# Altium PCB MyNixie.PcbDoc (part 1 of 2) (continued)
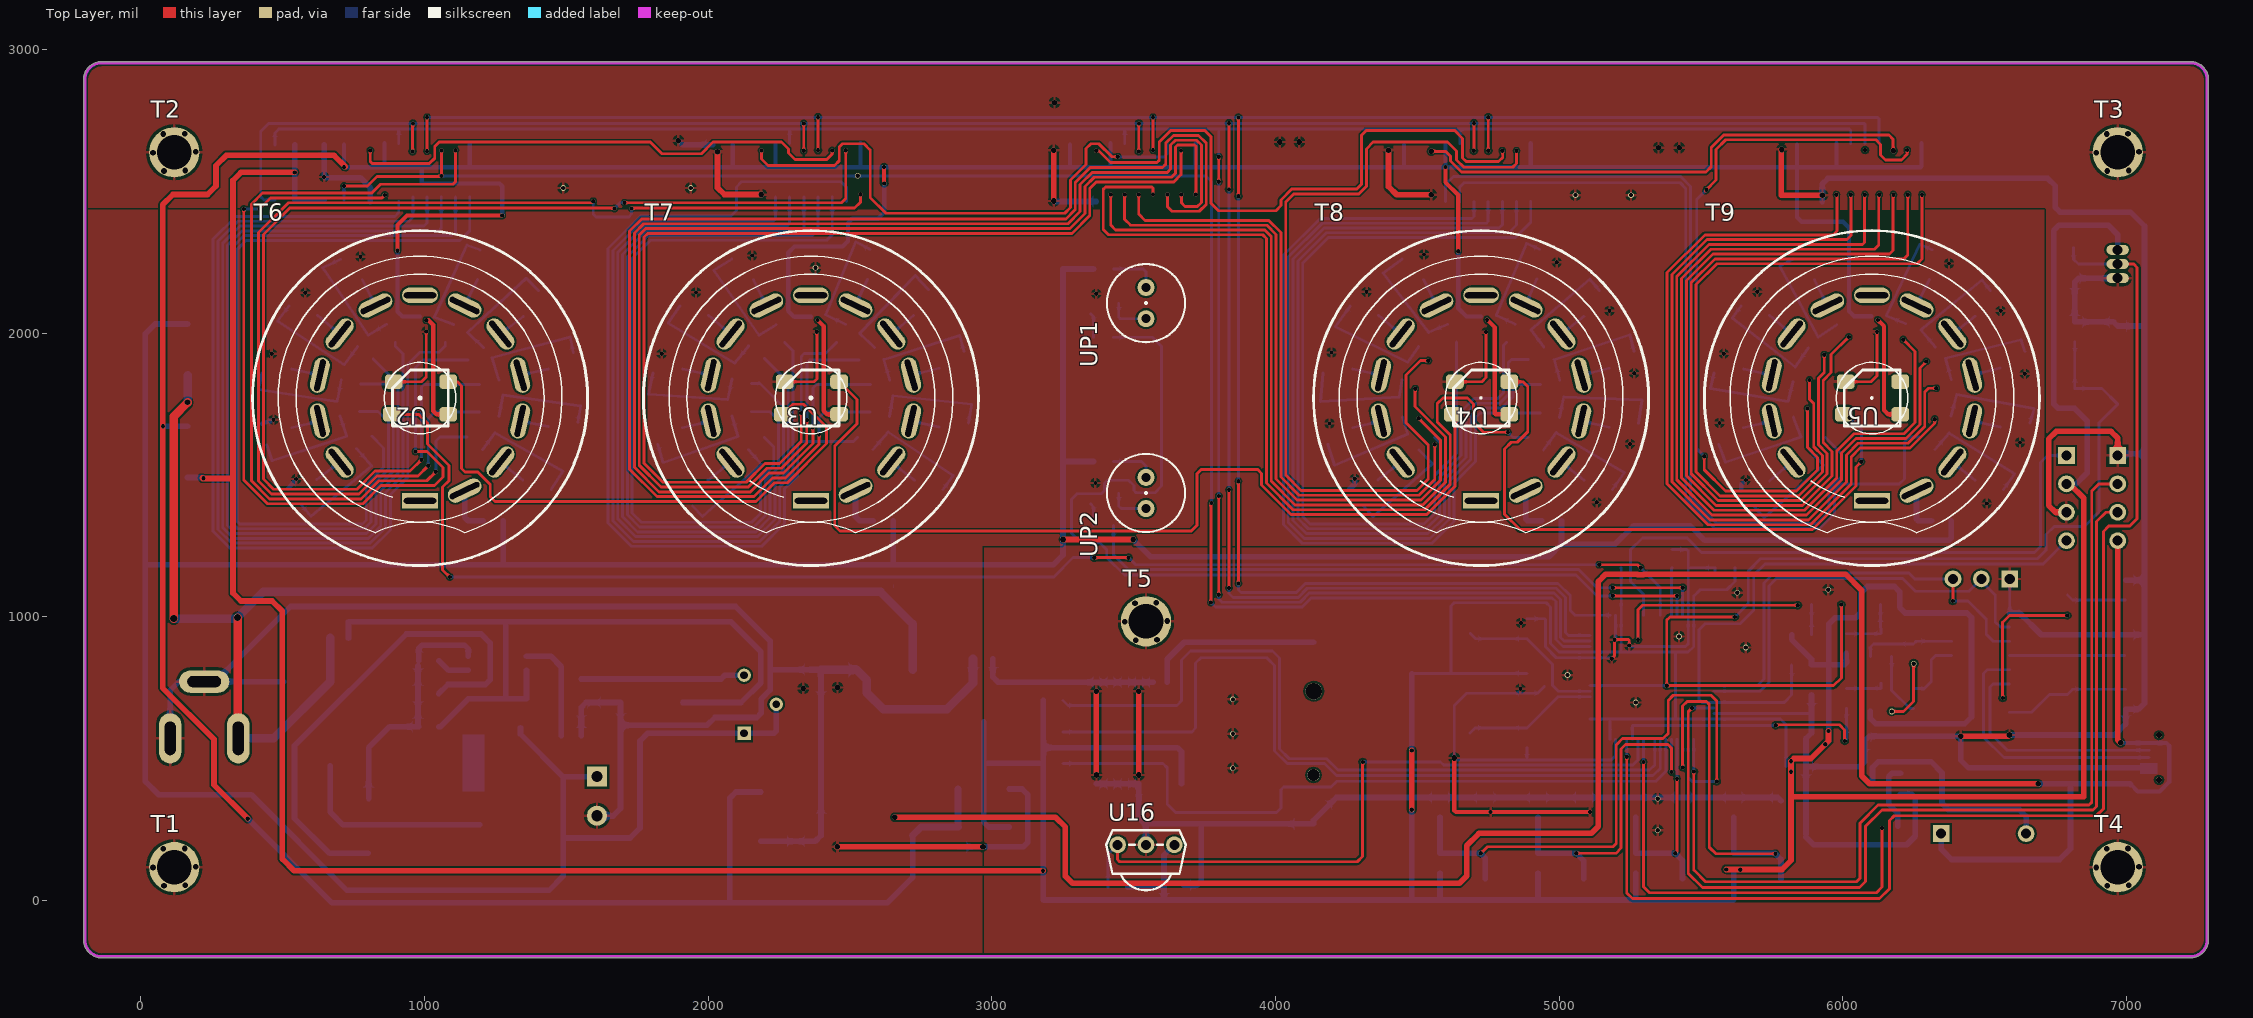
[diagram p0: Top Layer view]
## Footprints (in the part's own frame and the unit in brackets; to place one, negate y for a bottom-side part, rotate by r counter-clockwise, add the part's x,y. Pads: shape width x height; smd on the part's side, far side on the other; paste and mask are expansions set on the pad)
0805_C [mm]
  rect 1.16x1.47 smd: 1(-0.89,0) 2(0.89,0)
  silkscreen extent -1.77,-1.04 1.77,1.04, body extent -1,-0.63 1,0.63, height 0.77
0805_L [mm]
  rect 1.16x1.47 smd: 1(-0.89,0) 2(0.89,0)
  silkscreen extent -1.77,-1.04 1.77,1.03, body extent -1,-0.64 1,0.64, height 0.6
0805_LED_S1 [mm]
  rect 1.16x1.47 smd: A(0.89,0) K(-0.89,0)
  silkscreen extent -2.24,-1.04 1.77,1.03, body extent -1.01,-0.63 1.01,0.62, height 1.1
0805_R [mm]
  rect 1.16x1.47 smd: 1(-0.89,0) 2(0.89,0)
  silkscreen extent -1.77,-1.04 1.77,1.03, body extent -1,-0.63 1,0.63, height 0.49
Beep-12095 [mm] "S12*9.5有源蜂鸣器"
  rect 1.5x1.5 hole 0.9: 1(-3.8,0)
  round 1.5 hole 0.9: 2(3.8,0)
  silkscreen extent -6,-6 6,6, body extent -6.03,-6.03 5.97,5.97, height 9.6
C-RB-8 [mm] "35V 220UF电容"
  rect 1.8x1.8 hole 1: 1(0,0)
  round 1.8 hole 1: 2(3.5,0)
  silkscreen extent -2.25,-4 5.75,4
C-RB-S6 [mm] "贴片电解"
  rect 3.6x2 smd: 1(-2.794,0) 2(2.794,0)
  silkscreen extent -3.2,-3.2 3.2,3.2, body extent -3.15,-3.12 3.15,3.17, height 7.7
CHECK-B [mm] "Connector; Plug"
  round 1.5 smd: 1(0,0)
  silkscreen extent -1.52,-1.52 1.52,1.52
CR1220 [mm] "钮扣电池"
  round 1.1 hole 1.1: 0(0,3.75)
  round 1.5 hole 1.5: 0(0.025,-3.75)
  oct 3.5x5 smd: 1(0,-8.128)
  oval 3.5x5 smd: 2(0,8.128)
  silkscreen extent -7.62,-7.5 7.62,7.36, body extent -6.99,-7 7,7, height 4
DC-005 [mm] "DC母座5.5mm"
  oval 2x4.5 hole 1 slot 3 at 90 deg: 1(0.889,0) 2(6.985,0)
  oval 4.5x2 hole 1 slot 3 at 0 deg: 3(3.937,5.08)
  silkscreen extent 0,-4.5 14.61,4.5, body extent 0,-4.45 14.6,4.44, height 11
HDR3X1_A [mm] "Connector; Header; 3 Position"
  rect 1.5x1.5 hole 0.9: 1(0,0)
  round 1.5 hole 0.9: 2(2.54,0) 3(5.08,0)
  silkscreen extent -1.27,-1.27 6.35,1.27
HDR4X1_A [mm] "Connector; Header; 4 Position"
  rect 1.5x1.5 hole 0.9: 1(0,0)
  round 1.5 hole 0.9: 2(2.54,0) 3(5.08,0) 4(7.62,0)
  silkscreen extent -1.27,-1.27 8.89,1.27
HS0038B [mm] "红外接收头"
  round 1.5 hole 0.9: 1(-2.54,0) 2(0,0) 3(2.54,0)
  silkscreen extent -3.56,-4.08 3.56,1.3
L-SMD-12 [mm] "贴片电感12*12"
  rect 3x4 smd: 1(-6,0) 2(6,0)
  silkscreen extent -6.2,-6.2 6.2,6.2, body extent -6.2,-6.22 6.2,6.17, height 2.5
LC-SMA(DO-214AC)_S1 [mm]
  rect 2x2 smd: 1(2.1,0) 2(-2.1,0)
  silkscreen extent -2.35,-1.5 2.35,1.5
LC-SOIC-16_150mil [mm]
  oval 0.6x1.8 smd: 1(-4.445,-2.6) 2(-3.175,-2.6) 3(-1.905,-2.6) 4(-0.635,-2.6) 5(0.635,-2.6) 6(1.905,-2.6) 7(3.175,-2.6) 8(4.445,-2.6) 9(4.445,2.6) 10(3.175,2.6) 11(1.905,2.6) 12(0.635,2.6) 13(-0.635,2.6) 14(-1.905,2.6) 15(-3.175,2.6) 16(-4.445,2.6)
  silkscreen extent -5.4,-3.05 4.97,1.4
LC-SOIC-16_300mil [mm]
  oval 0.6x2.3 smd: 1(-4.445,-4.55) 2(-3.175,-4.55) 3(-1.905,-4.55) 4(-0.635,-4.55) 5(0.635,-4.55) 6(1.905,-4.55) 7(3.175,-4.55) 8(4.445,-4.55) 9(4.445,4.55) 10(3.175,4.55) 11(1.905,4.55) 12(0.635,4.55) 13(-0.635,4.55) 14(-1.905,4.55) 15(-3.175,4.55) 16(-4.445,4.55)
  silkscreen extent -5.45,-5.25 5.1,3
LC-SOT-223 [mm]
  rect 2.2x1 smd: 1(3,-2.3) 2(3,0) 3(3,2.3)
  rect 2.2x3.5 smd: 2(-3,0)
  silkscreen extent -1.4,-3 1.4,3, body extent -3.49,-3.24 3.49,3.24, height 1.64
LL-34 [mm]
  rect 0.9x1.5 smd: 1(1.75,0) 2(-1.75,0)
  silkscreen extent -1.8,-1.08 1.8,1.08
LQFP-64_10x10x05P [mm]
  oval 0.28x1.8 smd mask+0.051: 1(-3.75,-5.55) 2(-3.25,-5.55) 3(-2.75,-5.55) 4(-2.25,-5.55) 5(-1.75,-5.55) 6(-1.25,-5.55) 7(-0.75,-5.55) 8(-0.25,-5.55) 9(0.25,-5.55) 10(0.75,-5.55) 11(1.25,-5.55) 12(1.75,-5.55) 13(2.25,-5.55) 14(2.75,-5.55) 15(3.25,-5.55) 16(3.75,-5.55) 33(3.75,5.55) 34(3.25,5.55) 35(2.75,5.55) 36(2.25,5.55) 37(1.75,5.55) 38(1.25,5.55) 39(0.75,5.55) 40(0.25,5.55) 41(-0.25,5.55) 42(-0.75,5.55) 43(-1.25,5.55) 44(-1.75,5.55) 45(-2.25,5.55) 46(-2.75,5.55) 47(-3.25,5.55) 48(-3.75,5.55)
  oval 1.8x0.28 smd mask+0.051: 17(5.55,-3.75) 18(5.55,-3.25) 19(5.55,-2.75) 20(5.55,-2.25) 21(5.55,-1.75) 22(5.55,-1.25) 23(5.55,-0.75) 24(5.55,-0.25) 25(5.55,0.25) 26(5.55,0.75) 27(5.55,1.25) 28(5.55,1.75) 29(5.55,2.25) 30(5.55,2.75) 31(5.55,3.25) 32(5.55,3.75) 49(-5.55,3.75) 50(-5.55,3.25) 51(-5.55,2.75) 52(-5.55,2.25) 53(-5.55,1.75) 54(-5.55,1.25) 55(-5.55,0.75) 56(-5.55,0.25) 57(-5.55,-0.25) 58(-5.55,-0.75) 59(-5.55,-1.25) 60(-5.55,-1.75) 61(-5.55,-2.25) 62(-5.55,-2.75) 63(-5.55,-3.25) 64(-5.55,-3.75)
  silkscreen extent -4.55,-6.05 4.25,4.25, body extent -6.1,-6.1 6.1,6.1, height 1.4
"MP1584 MODULE" [mil] "Mini360"
  rect 157.48x157.48 smd: 1(-292.5,161.5) 2(-292.5,-161.5) 3(292.5,-161.5) 4(292.5,161.5)
  silkscreen extent -333,-221 339,218
NEON [mil]
  round 60 hole 31.5: 1(55,0) 2(-55,0)
  silkscreen extent -138,-138 138,138
QS30-1 [mm]
  rect 3.2x1.4 hole 0.5 slot 2.9 at 0 deg: 1(0,-9.2)
  oval 3.2x1.4 hole 0.5 slot 2.9 at 25.71 deg rot 25.71: 2(3.992,-8.289) 9(-3.992,8.289)
  oval 3.2x1.4 hole 0.5 slot 2.9 at 51.43 deg rot 51.43: 3(7.193,-5.736) 10(-7.193,5.736)
  oval 3.2x1.4 hole 0.5 slot 2.9 at 77.14 deg rot 77.14: 4(8.969,-2.047) 11(-8.969,2.047)
  oval 3.2x1.4 hole 0.5 slot 2.9 at 106.06 deg rot 102.86: 5(8.969,2.047)
  oval 3.2x1.4 hole 0.5 slot 2.9 at 128.57 deg rot 128.57: 6(7.193,5.736) 13(-7.193,-5.736)
  oval 3.2x1.4 hole 0.5 slot 2.9 at 154.29 deg rot 154.29: 7(3.992,8.289)
  oval 3.2x1.4 hole 0.5 slot 2.9 at 0 deg: 8(0,9.2)
  oval 3.2x1.4 hole 0.5 slot 2.9 at 102.86 deg rot 102.86: 12(-8.969,-2.047)
  silkscreen extent -15,-15 15,15, body extent -13.99,-14.02 14,13.97, height 40
SMB(DO-214AA)_S1 [mil]
  rect 85x107.99 smd: 1(87.01,0) 2(-87.01,0)
  silkscreen extent -98,-83 98,83
SOIC-8_150mil [mm]
  oval 0.7x1.8 smd: 1(-1.905,-2.6) 2(-0.635,-2.6) 3(0.635,-2.6) 4(1.905,-2.6) 5(1.905,2.6) 6(0.635,2.6) 7(-0.635,2.6) 8(-1.905,2.6)
  silkscreen extent -2.9,-3.05 2.4,1.4
SOIC-16_150mil [mm]
  oval 0.6x1.8 smd: 1(-4.445,-2.6) 2(-3.175,-2.6) 3(-1.905,-2.6) 4(-0.635,-2.6) 5(0.635,-2.6) 6(1.905,-2.6) 7(3.175,-2.6) 8(4.445,-2.6) 9(4.445,2.6) 10(3.175,2.6) 11(1.905,2.6) 12(0.635,2.6) 13(-0.635,2.6) 14(-1.905,2.6) 15(-3.175,2.6) 16(-4.445,2.6)
  silkscreen extent -5.4,-3.05 4.97,1.4, body extent -4.95,-3 5.05,3.2, height 1.75
SOT-23(SOT-23-3) [mm]
  rect 1.25x0.7 smd: 1(1.25,-0.95) 2(1.25,0.95) 3(-1.25,0)
  silkscreen extent -0.65,-1.46 0.9,1.46, body extent -1.5,-1.5 1.5,1.5, height 1.3
SW_PB2_A1 [mm]
  rect 1.5x2.5 smd: 1(0,3.556) 2(0,-3.444)
  silkscreen extent -2,-3.19 2,3.31, body extent -2.03,-3.17 2.03,3.3, height 1.2
TO-92A [mm]
  oval 2x0.9 hole 0.9: 1(0,-1.27) 2(0,0) 3(0,1.27)
  silkscreen extent -2.48,-2.48 1.5,2.48
TO-263-2 [mm]
  rect 3x1.5 smd: 1(0,-2.54) 3(0,2.54)
  rect 10x10.1 smd: 2(-10,0)
  silkscreen extent -4.6,-5 -2,5
USB_MICRO [mm] "USB方孔"
  oct 0.4x1.8 smd: 1(1.24,1.651) 2(1.89,1.651) 3(2.54,1.651) 4(3.19,1.651) 5(3.84,1.651)
  oct 2.286x1.9 smd: 6(5.969,-1.27) 7(-0.889,-1.27)
  round 0.54 hole 0.54: ""(0.54,0.753) ""(4.54,0.753)
  silkscreen extent -0.38,-3.56 5.33,1.4, body extent -0.43,-3.61 5.38,1.47, height 1.85
VR_B1 [mm] "Potentiometer; 3 Leads"
  rect 1.2x1.2 hole 0.7: 1(-2.6,0)
  round 1.2 hole 0.7: 2(0,2.873) 3(2.6,0)
  silkscreen extent -3.5,-3 3.5,4
WS2812 [mil]
  rrect50% 62.99x51.18 smd: 1(-99.5,57.5) 2(-99.5,-57.5) 3(92.5,-57.5) 4(99.5,57.5)
  silkscreen extent -100,-98 98,99, body extent -100,-99 98,99, height 79
X-SM49 [mm]
  oval 4.4x1.5 smd: 1(4.45,0.004) 2(-4.45,-0.004)
  silkscreen extent -5.7,-2.5 5.72,2.5, body extent -5.72,-2.54 5.72,2.54, height 4
螺丝孔-3MM [mm]
  round 4.5 hole 3.1: 1(0,0)

## Part data
BT1: "备份电池", LatestRevisionDate=17-Jul-2002, LatestRevisionNote="Re-released for DXP Platform.", PackageReference=BAT-2, Published=24-Mar-1999, Publisher="Altium Limited"
C1 C2 C3 C4 C5 C6 C7 C8 C11 C15 C16 C17 C18 C19 C20 C21 C22 C23 C24 C27 C28 C29 C30 C31: library part "0805 100nF(104) 10% 50V", "贴片电容", Package=0805, SuppliersPartNumber=C49678, ComponentLink1Description=供应商, ComponentLink1URL=http://www.szlcsc.com/product/details_50686.html, Supplier=LC
C9: library part "0805 1nF (102) 10% 50V", "贴片电容", Package=0805, SuppliersPartNumber=C51210, ComponentLink1Description=供应商, ComponentLink1URL=http://www.szlcsc.com/product/details_52223.html, Supplier=LC
C10 C12: library part "Cap Pol1", "极性电解电容", LatestRevisionDate=17-Jul-2002, LatestRevisionNote="Re-released for DXP Platform.", PackageDescription="Polarized Capacitor (Radial); 2 Leads", PackageReference=RB7.6-15, Published=8-Jun-2000, Publisher="Altium Limited"
C13 C14 C25 C26: library part "0805 20pF (200) 5% 50V", "贴片电容", Package=0805, SuppliersPartNumber=C1798, ComponentLink1Description=供应商, ComponentLink1URL=http://www.szlcsc.com/product/details_2150.html, Supplier=LC
C32: library part "0805 22uF (226) 20% 25V", "贴片电容", Package=0805, SuppliersPartNumber=C45783, ComponentLink1Description=供应商, ComponentLink1URL=http://www.szlcsc.com/product/details_46786.html, Supplier=LC
D1: library part "SMB/DO-214AA P6SMB6.8CA", "TVS", Package=SMB/DO-214AA, SuppliersPartNumber=C78395, ComponentLink1Description=供应商, ComponentLink1URL=http://www.szlcsc.com/product/details_79530.html, Supplier=LC
D2: library part "D Schottky", "Schottky Diode", Code_JEDEC=DO-214-AA, LatestRevisionDate=17-Jul-2002, LatestRevisionNote="Re-released for DXP Platform.", PackageDescription="DO-214-AA/SMB; 2 C-Bend Leads; Body 5.3 x 3.6 mm, inc. leads (LxW)", PackageReference=SMB, Published=8-Jun-2000, Publisher="Altium Limited"
D3: library part "0805 红灯", "发光二极管", Package=0805, SuppliersPartNumber=C2295, ComponentLink1Description=供应商, ComponentLink1URL=http://www.szlcsc.com/product/details_2668.html, Supplier=LC
D4: library part "LL-34 LL4148 LL-34 1206", "开关二极管", Package=LL-34, SuppliersPartNumber=C9808, ComponentLink1Description=供应商, ComponentLink1URL=http://www.szlcsc.com/product/details_10338.html, Supplier=LC
J1: "直流电源端子", ComponentLink1Description="Manufacturer Link", ComponentLink1URL=http://domino.kycon.com/internet/Products.html, DatasheetDocument=09-May-2002, Published=17-Dec-2003, Publisher="Altium Limited"
J2 J3 J4 J5 J6: "测试点"
J7: "MicroUSB接口"
J8: "蜂鸣器"
L1: library part "Inductor Iron", "Magnetic-Core Inductor", LatestRevisionDate=17-Jul-2002, LatestRevisionNote="Re-released for DXP Platform.", PackageDescription="Axial Device, Thru-Hole; 2 Leads; 0.9 in Pin Spacing", PackageReference=AXIAL-0.9, Published=24-Mar-1999, Publisher="Altium Limited"
L2: library part "0805 100uH 10%", "贴片电感", Package=0805, SuppliersPartNumber=C68035, ComponentLink1Description=供应商, ComponentLink1URL=http://www.szlcsc.com/product/details_69137.html, Supplier=LC
P1: library part "Header 4", "接插件", LatestRevisionDate=17-Jul-2002, LatestRevisionNote="Re-released for DXP Platform.", Publisher="Altium Limited"
P2 P3: "接插件", LatestRevisionDate=17-Jul-2002, LatestRevisionNote="Re-released for DXP Platform.", Publisher="Altium Limited"
Q1 Q2 Q4 Q5 Q6 Q7 Q8 Q9 Q10 Q11 Q12 Q13 Q14 Q15 Q16 Q17 Q18 Q19 Q20 Q21 Q22 Q23 Q24 Q25 Q26 Q27 Q28 Q29 Q30 Q31 Q32 Q33 Q34 Q35 Q36 Q37 Q38 Q39 Q40 Q41 Q42 Q43 Q44 Q46: library part "SOT-23 SS8050 Y1", "三极管", Package=SOT-23, SuppliersPartNumber=C2150, ComponentLink1Description=供应商, ComponentLink1URL=http://www.szlcsc.com/product/details_2507.html, Supplier=LC
Q3: library part NMOS-2, "N-Channel Power MOSFET", ComponentLink1Description="Manufacturer Link", ComponentLink1URL=http://www.irf.com/, DatasheetVersion=PD-9.814, LatestRevisionDate=17-Jul-2002, LatestRevisionNote="Re-released for DXP Platform.", Note="Pin 2 is electrically connected to pin 4.", PackageDescription="TO, Thru-Hole, Vertical, Heatsink Mounted; 3 In-Line Leads; Pitch 2.54 mm", PackageReference=TO-220AB, PackageVersion=Feb-1997, Published=8-Jun-2000, Publisher="Altium Limited"
Q45: library part "SOT-23 SS8550 Y2", "三极管", Package=SOT-23, SuppliersPartNumber=C8542, ComponentLink1Description=供应商, ComponentLink1URL=http://www.szlcsc.com/product/details_9037.html, Supplier=LC
R1 R14 R17 R18 R19 R69 R70 R71 R72: library part "0805 10KΩ (1002) 1%", "贴片电阻", Package=0805, SuppliersPartNumber=C17414, ComponentLink1Description=供应商, ComponentLink1URL=http://www.szlcsc.com/product/details_18102.html, Supplier=LC
R2 R9 R22 R23 R24 R25 R26 R29 R30 R31 R32 R33 R34 R35 R36 R37 R38 R40 R41 R42 R43 R44 R45 R46 R47 R48 R49 R50 R51 R52 R53 R54 R55 R56 R57 R58 R59 R61 R62 R63 R64 R65: library part "0805 24KΩ (2402) 1%", "贴片电阻", Package=0805, SuppliersPartNumber=C17575, ComponentLink1Description=供应商, ComponentLink1URL=http://www.szlcsc.com/product/details_18263.html, Supplier=LC
R3: library part "0805 2KΩ (2001) 1%", "贴片电阻", Package=0805, SuppliersPartNumber=C17604, ComponentLink1Description=供应商, ComponentLink1URL=http://www.szlcsc.com/product/details_18292.html, Supplier=LC
R4: library part "0805 270KΩ (2703) 1%", "贴片电阻", Package=0805, SuppliersPartNumber=C17589, ComponentLink1Description=供应商, ComponentLink1URL=http://www.szlcsc.com/product/details_18277.html, Supplier=LC
R5 R11: library part "0805 240KΩ (2403) 1%", "贴片电阻", Package=0805, SuppliersPartNumber=C25824, ComponentLink1Description=供应商, ComponentLink1URL=http://www.szlcsc.com/product/details_26567.html, Supplier=LC
R6 R8 R15 R16: library part "0805 20KΩ (2002) 1%", "贴片电阻", Package=0805, SuppliersPartNumber=C4328, ComponentLink1Description=供应商, ComponentLink1URL=http://www.szlcsc.com/product/details_4735.html, Supplier=LC
R7: library part RES-RPot, "精密可调电阻", LatestRevisionDate=17-Jul-2002, LatestRevisionNote="Re-released for DXP Platform.", PackageReference=VR5, Published=8-Jun-2000, Publisher="Altium Limited", Set Position=0.5, Sim Note="Enter the Resistance value and the set point into parameter fields."
R10: library part "0805 330Ω (3300) 1%", "贴片电阻", Package=0805, SuppliersPartNumber=C17630, ComponentLink1Description=供应商, ComponentLink1URL=http://www.szlcsc.com/product/details_18318.html, Supplier=LC
R12 R21 R27 R39 R66 R67 R68 R73 R75: library part "0805 4.7KΩ (4701) 1%", "贴片电阻", Package=0805, SuppliersPartNumber=C17673, ComponentLink1Description=供应商, ComponentLink1URL=http://www.szlcsc.com/product/details_18361.html, Supplier=LC
R13 R20 R28 R60 R74: library part "0805 1KΩ (1001) 1%", "贴片电阻", Package=0805, SuppliersPartNumber=C17513, ComponentLink1Description=供应商, ComponentLink1URL=http://www.szlcsc.com/product/details_18201.html, Supplier=LC
S1 S2 S3 S4 S5: "微动开关", LatestRevisionDate=17-Jul-2002, LatestRevisionNote="Re-released for DXP Platform.", PackageReference=SPST-2, Published=24-Mar-1999, Publisher="Altium Limited"
T6 T7 T8 T9: "南昌辉光管"
U7: "ARM", Package=LQFP-64_10x10x05P, SuppliersPartNumber=C8735, ComponentLink1Description=供应商, ComponentLink1URL=http://www.szlcsc.com/product/details_9244.html, Supplier=LC
U8: library part CH340G_[C14267], "USB", Package=SOIC-16_150mil, SuppliersPartNumber=C14267, ComponentLink1Description=供应商, ComponentLink1URL=http://www.szlcsc.com/product/details_14927.html, Supplier=LC
U9 U10 U11 U12 U13: "74系列逻辑芯片", Package=SOIC-16_150mil, SuppliersPartNumber=C5947, ComponentLink1Description=供应商, ComponentLink1URL=http://www.szlcsc.com/product/details_6413.html, Supplier=LC
U14: "温度传感器"
U15: "实时时钟", Package=SOIC-16_300mil, SuppliersPartNumber=C37663, ComponentLink1Description=供应商, ComponentLink1URL=http://www.szlcsc.com/product/details_38643.html, Supplier=LC
U16: library part HS0038B, "红外接收器"
UP1 UP2: "氖泡"
VR1: library part "SOT-223 AMS1117-3.3", "低压差线性稳压(LDO)", Package=SOT-223, SuppliersPartNumber=C6186, ComponentLink1Description=供应商, ComponentLink1URL=http://www.szlcsc.com/product/details_6652.html, Supplier=LC
Y1 Y2: library part XTAL, "晶振", LatestRevisionDate=17-Jul-2002, LatestRevisionNote="Re-released for DXP Platform.", PackageReference=R38, Published=8-Jun-2000, Publisher="Altium Limited"

## Via types
v1: diameter 15, hole 15, Top Layer to Bottom Layer, 190 vias
v2: diameter 20, hole 20, Top Layer to Bottom Layer, 63 vias
v3: diameter 20, hole 15, Top Layer to Bottom Layer, 19 vias
v4: diameter 25, hole 25, Top Layer to Bottom Layer, 2 vias

## Nets (pads, with @x,y where several pads share a name; then routed paths per layer and width w, separated by ;. In a path a pad name is that pad's centre, name@x,y a point inside that pad or via, vN(x,y) a via of type N, cw(c..) or ccw(c..) an arc to the next point about the centre after c; other vN are vias at no path point)
3V3: C2.2 C15.1 C16.1 C17.1 C27.2 C32.1 D3.A J5.1 P1.2 Q45.2 R1.1 R12.2 R18.1 R19.2 R21.1 R27.1 R39.1 R66.2 R67.2 R68.2 R69.1 R70.1 R71.1 R72.1 R73.1 R75.1 U7.1 U7.13 U7.19 U7.32 U7.48 U7.64 U8.16 U14.3 U15.2 U16.3 VR1.2 | length 21771.5
  Top Layer w20: v1@216,1490 218,1488 325,1488 ; v1(543,2567) 353,2567 325,2539 325,1488 ; v1(3180,105) 541,105 499,147 499,1020 463,1056 353,1056 325,1084 325,1488 ; v1(4480,320) v1(4480,529) ; v1(5589,110) 5785,110 5817,142 5817,366 ; v1(5949,598) 5949,563 5887,501 5827,501 v1(5817,491) v1(5817,454) 5817,366 ; P1.2@6788,1469 6799,1469 6849,1419 6849,366 5817,366
  Bottom Layer w10: 4480,799 4482.2,801.2 4618.8,801.2 ; C16.1@4885.83,801.2 4618.8,801.2 ; U7.1@5108.27,639.76 5177,639.76 ; U7.64@5179.13,568.9 5179.13,637.63 5177,639.76 ; R12.2@5216.93,1173.23 5218.5,1171.65 U7.19@5218.5,1005.91 5218.5,877.5 5216.98,875.98 ; C17.1@5619.59,1173.23 5619.59,1125.04 5590.55,1096 5497,1096 5474.41,1073.41 5474.41,896.41 5453.98,875.98 5409.98,875.98 ; C15.1@5799.61,472.44 5799.61,620.39 5780.24,639.76 5409,639.76 ; 4618.8,801.2 4618.8,1038.8 4630,1050 4954,1050 4969,1035 4969,906 4999.02,875.98 5216.98,875.98 ; 5177,639.76 5409,639.76 ; 5216.98,875.98 5409.98,875.98 ; 5409,639.76 5409.98,640.75 5409.98,875.98
  Bottom Layer w20: J5.1@164.67,1491.27 218.73,1491.27 v1(221,1489) ; R27.1@542.91,2664.17 R21.1@542.91,2469.94 R39.1@646.06,2469.94 ; VR1.2@2971.06,629.92 2971.06,484.25 ; C2.2@3060.24,259.45 2988.58,259.45 2971.06,276.97 VR1.2@2971.06,393.7 2971.06,484.25 ; R73.1@3180.71,483.46 3180.71,3.29 3181.92,2.08 4480,2.08 ; R68.2@3180.71,705.91 3180.71,539.37 ; R75.1@3479.92,47.24 C32.1@3606.69,47.24 ; 3606.69,2.69 C32.1@3606.69,47.24 ; U16.3@3643.31,196.85 3606.69,160.23 C32.1@3606.69,47.24 ; U15.2@3668.31,411.42 3668.31,524.61 3653.54,539.37 3180.71,539.37 ; v1(4480,320) 4480,2.08 ; v1(4480,529) 4480,799 ; R72.1@4579.92,96.65 4579.92,2.08 ; R71.1@4925.07,96.65 4925.07,2.14 4925,2.08 ; R70.1@5270.21,96.65 5270.21,4.29 5268,2.08 ; R69.1@5615.35,96.65 5615.35,4.35 5613.08,2.08 5268,2.08 ; D3.A@5819.29,937.14 5819.29,920.71 5889.37,850.63 R1.1@5889.37,830.97 5950,830.97 ; v1(5938,551) 5950,563 5950,830.97 ; R19.2@6012.2,870.87 6012.2,837.2 6005.97,830.97 5950,830.97 ; Q45.2@6096.85,667.98 6096.85,642.15 6116,623 6429,623 6453,647 6453,998 6436.89,1014.11 6219.89,1014.11 6200,1034 6200,1089 6182,1107 6086,1107 6063,1084 6063,1015 6045.17,997.17 5972.17,997.17 5950,975 5950,830.97 ; P1.2@6788,1469 6822,1469 6861,1508 6861,1691.06 R18.1@6816.93,1735.13 6758.87,1735.13 6742.98,1751.02 6742.98,2361.98 6762,2381 6935,2381 6968.5,2347.5 U14.3@6968.5,2294.09 ; 2971.06,484.25 3180.71,484.25 3180.71,539.37 ; 4480,2.08 4579.92,2.08 ; 4579.92,2.08 4925,2.08 ; 4925,2.08 5268,2.08
  other v1: 5638,109
+5: C1.2 C4.1 C5.1 C6.1 C7.1 C19.1 C20.1 C21.1 C22.1 C23.1 D1.1 J4.1 J7.1 J8.1 P2.4 U1.3 U2.1 U3.1 U4.1 U5.1 U9.10 U9.16 U10.10 U10.16 U11.10 U11.16 U12.10 U12.16 U13.10 U13.16 VR1.3 | length 26633.1
  Top Layer w15: v1(905,2291) 905,2382 938,2415 v1(1274,2415) ; 1014,2046 1031,2029 1031,1726 1042.85,1714.15 U2.1@1083.75,1714.15 ; v1(2385,2047) 2407,2025 2407,1727 2419.85,1714.15 U3.1@2461.71,1714.15 ; v1@2620,2529 v1(2620,2586) ; v1(4599,2586) 4599,2532 4644,2487 v1(4644,2289) ; v1(4745,2048) 4773,2020 4773,1717 4775.85,1714.15 U4.1@4823.91,1714.15 ; v1(6123,2047) 6145,2025 6145,1729 6159.85,1714.15 U5.1@6201.86,1714.15
  Top Layer w20: v1(377,289) 258,408 258,569 77,750 77,2453 113,2489 235,2489 265,2519 265,2591 301,2627 681,2627 v1@721,2587 ; v2(2658,294) 3224,294 3259,259 3259,86 3284,61 4648,61 4674,87 4674,194 4717,237 5113,237 5138,262 5138,1125 5164,1151 5274.59,1151 5276.86,1148.73 5297.16,1148.73 5299.43,1151 6009,1151 6066,1094 6066,440 6094,412 v2(6688,412) ; P2.4@6968.5,1269 6968.5,566.5 v2(6979,556)
  Bottom Layer w15: C19.1@716.14,2664.17 v1(716.14,2585.14) 990,2585.14 ; 859.25,2585.89 U9.10@859.25,2669.42 ; v1(905,2291) 905,2076 921.96,2059.04 C4.1@984.25,2059.04 ; 1159.25,2586.39 U9.16@1159.25,2669.42 ; v1(1274,2415) 1274,2518 1264,2528 994,2528 990,2532 990,2585.14 ; 2086.22,2585.92 C20.1@2086.22,2664.16 ; 2237.2,2585.94 U10.10@2237.2,2669.42 ; C7.1@2362,2058.04 2302.96,2058.04 2282,2079 2282,2284 2304,2306 2474.25,2306 2493,2324.75 2493,2389 2508,2404 2598,2404 2621,2427 v1(2621,2528) ; 2537.2,2585.94 U10.16@2537.2,2669.42 ; 3275.2,2585.94 C21.1@3275.2,2664.16 ; 3418.31,2585.45 U11.10@3418.31,2669.42 ; 3718.31,2586.45 U11.16@3718.31,2669.42 ; 4452.36,2586.5 C22.1@4452.36,2664.16 ; v1@4599.41,2585.73 U12.10@4599.41,2669.42 ; v1(4644,2289) 4644,2088 4672.96,2059.04 C6.1@4724.41,2059.04 ; 4899.41,2585.73 U12.16@4899.41,2669.42 ; C23.1@5838.19,2664.16 5838.19,2585.14 ; 5977.36,2585.5 U13.10@5977.36,2669.42 ; C5.1@6101,2060.04 6038.96,2060.04 6021,2078 6021,2372 6000,2393 5854,2393 5838.19,2408.81 5838.19,2585.14 ; U13.16@6277.36,2669.42 6277.36,2588.64 6273.86,2585.14 5838.19,2585.14 ; v2@6978.51,555.51 J7.1@7078.7,555.51 7140.49,555.51 7150,546 7150,418 7117,385 7039,385 7015,409 ; 990,2585.14 5838.19,2585.14
  Bottom Layer w20: v1@77,1673 v1(78.22,1671.78) J4.1@164.67,1671.78 ; v1(377,289) 674,-8 2076,-8 ; D1.1@2185.04,383.05 2098.05,383.05 2076,361 2076,-8 ; U1.3@2720.56,229.11 2720.56,81.56 2631,-8 2076,-8 ; J8.1@6346.46,236.22 6346.46,181.54 6383,145 6764,145 6802,183 6802,411 ; v2(6688,412) 7012,412 7015,409
  Bottom Layer w25: U1.3@2720.56,229.11 2750.89,259.45 C1.2@2881.89,259.45 2880.51,260.83 VR1.3@2880.51,393.7
  other v1: 1006,2046
+12: C11.2 C12.1 J1.1 J3.1 L1.1 U1.2 U6.1 U6.6 U6.7 U6.8 | length 7406.5
  Top Layer w30: v4(116,994) 116,1707 164.67,1755.67 v2(164.67,1756.33) ; v4(341,998) 341,574.51 J1.1@343.45,572.06
  Bottom Layer w20: L1.1@732.28,925.2 732.28,983 1286.46,983 ; C11.2@1050.24,613.18 1055.95,613.18 U6.1@1154.57,711.8 1286.46,711.8 ; U6.6@1359.3,811.8 U6.8@1359.3,711.8 1286.46,711.8 ; C12.1@1910.79,698.23 2115.55,698.23 2185.04,767.72 2185.04,877.96 2080,983 1286.46,983 ; 1286.46,711.8 1286.46,983
  Bottom Layer w30: v4(116,994) 337,994 v4(341,998) 431,1088 2608,1088 2720.56,975.44 U1.2@2720.56,814.11 ; v2(164.67,1756.33) J3.1@164.67,1852.28 ; J1.1@343.45,572.06 468.06,572.06 667.72,771.72 L1.1@667.72,926
BEEP: R74.1 U7.58 | length 1586.8
  Top Layer w10: v1(5297.24,488.76) 5297.24,48.76 5318,28 6118,28 6138,48 v1(6138,256)
  Bottom Layer w10: U7.58@5297.24,568.9 v1(5297.24,488.76) v1@5298,488
BT0: R17.2 R60.1 U7.60 | length 961.8
  Top Layer w10: v1(5763,618) 5765,620 5988,620 6006.1,601.9 v1(6006.1,562.99)
  Bottom Layer w10: U7.60@5257.87,568.9 5257.87,617.64 5762.64,617.64 v1(5763,618) ; v1(6006.1,562.99) 6012.2,569.1 R60.1@6012.2,677.95
BT1: R14.2 U7.28 | length 168.3
  Bottom Layer w10: U7.28@5395.67,1005.91 5395.67,1170.87 R14.2@5398.03,1173.23
DGND: BT1.2 C3.1 C13.1 C14.1 C15.2 C16.2 C17.2 C18.1 C19.2 C20.2 C21.2 C22.2 C23.2 C24.2 C25.2 C26.2 C27.1 C28.1 C29.1 C30.1 C31.1 C32.2 J7.4 J7.5 L2.2 P1.3 P2.1 P3.1 Q46.2 R14.1 R17.1 S1.2 S2.1 S3.1 S4.1 S5.1 T2.1 T3.1 T4.1 T5.1 U7.12 U7.18 U7.31 U7.47 U7.63 U8.1 U9.8 U10.8 U11.8 U12.8 U13.8 U14.1 U15.5 U15.6 U15.7 U15.8 U15.9 U15.10 U15.11 U15.12 U15.13 U16.2 | length 17615
  Top Layer w10: v1(5185,853) 5195,863 v1(5195,920) 5244,920 5247,917 v1(5247,899)
  Top Layer w15: v2(4630,503) 4630,318 4636,312 v1(4758,312) v1(5108,312)
  Top Layer w20: v2(2033,2640) 2033,2513 2057,2489 v2(2187,2489) ; v2(3218,2466) v2(3218,2645) ; v2@3368,444 v2(3368,738) ; v2(3518,443) v2(3518,738) ; v2(4398,2645) 4398,2517 4427,2488 v2(4549,2488) ; v2@5783,2647 5783,2487 v2(5928,2487) ; v2(6415,580) 6583,580 v2(6587,584) ; P1.3@6788,1369 6749,1369 6725,1393 6725,1627 6752,1654 6945,1654 6968.5,1630.5 P2.1@6968.5,1569
  Bottom Layer w10: 4885.83,496 C13.1@4885.83,538.93 ; C14.1@4885.83,993.39 4947.61,993.39 4951,990 4951,895 4989.7,856.3 U7.12@5108.27,856.3 5181.7,856.3 v1(5185,853) ; 4947,755 4923.12,731.12 C16.2@4885.83,731.12 4673.12,731.12 4630,688 v2(4630,503) 4637.65,495.35 5183.35,495.35 5198.82,510.82 U7.63@5198.82,568.9 ; v1(5195,920) 5198.82,923.82 U7.18@5198.82,1005.91 ; v1@5247,896 5445,896 5454.73,905.73 U7.31@5454.72,1005.91 5454.73,1233.27 5450.8,1237.2 R14.1@5398,1237.2 ; 5456.5,1173.23 C17.2@5549.51,1173.23 C17.2@5549.51,1146.83 ; U7.47@5545.28,659.45 5887.92,659.45 5889.37,658 ; U8.1@6587.4,1014.11 6588,1014.71 P3.1@6588,1134
  Bottom Layer w20: C19.2@646.06,2664.17 v1(646.06,2550.94) 649,2548 774,2548 809.25,2512.75 U9.8@809.25,2464.69 ; v2(1895,2679) 1909.84,2664.16 C20.2@2016.14,2664.16 ; L2.2@3003.54,852.17 3003.54,788.46 3022.32,769.68 U15.9@3368.31,769.68 U15.10@3418.31,769.68 U15.11@3468.31,769.68 U15.12@3518.31,769.68 U15.13@3568.31,769.68 ; v2@3218,2464.69 U11.8@3368.31,2464.69 ; U15.8@3368.31,411.42 U15.7@3418.31,411.42 U15.6@3468.31,411.42 U15.5@3518.31,411.42 3518.31,292.72 3543.31,267.72 ; U16.2@3543.31,196.85 3543.31,267.72 ; C32.2@3676.77,54.24 3723.24,54.24 3738,69 3738,267.55 3741,270.55 ; S2.1@5781.97,352.24 5770.63,363.58 C28.1@5615.35,363.57 C29.1@5270.21,363.57 C30.1@4925.07,363.57 C31.1@4579.92,363.57 4214.42,363.58 4133.86,283.01 BT1.2@4133.86,270.55 3741,270.55 ; 5869.69,223.31 5896,197 6225,197 6255,227 6255,362 6242.59,374.41 Q46.2@6202.76,374.41 ; 5869.69,235.31 C15.2@5869.69,472.44 ; C3.1@5889.37,724.8 5889.37,658 5889.37,591 5869.69,571.32 C15.2@5869.69,472.44 ; U13.8@5927.36,2464.69 5927.36,2526.36 5947,2546 6722,2546 6749,2519 6749,2443 6765,2427 7014,2427 7063,2378 7063,1574.8 ; v2(6587,584) 6958,584 6996.46,622.46 C26.2@6996.46,674.74 7041.74,674.74 7063,696 7063,1129.2 ; U8.1@6587.4,1014.11 6621.89,1014.11 6698.99,937.01 C24.2@6996.46,937.01 7060.99,937.01 ; P2.1@6968.5,1574.8 7063,1574.8 ; U14.1@6968.5,2194.09 6830.11,2194.09 6816.93,2180.91 C18.1@6816.93,2039.99 6953.87,2039.99 S1.2@6968.5,2025.36 7060.64,2025.36 7063,2023 ; C25.2@6996.46,1129.2 7063,1129.2 ; 7080,468 6443,468 6415,496 v2(6415,580) 6093.19,580 R17.1@6076.18,562.99 6076.18,489.18 6059.44,472.44 C15.2@5869.69,472.44 ; 3543.31,267.72 3546.14,270.55 3741,270.55 ; 7063,1129.2 7063,1574.8
  other v1: 4863,747 4865,979
  other v2: 6932.27,52.2 7007.47,53.78 6893.31,116.54 7043.7,119.69 6929.54,182.45 7004.74,184.02 3369,443 3507.07,918.34 3582.27,919.92 3468.11,982.68 3618.5,985.83 3504.34,1048.59 3579.54,1050.16 81.88,2571.89 6932.27,2571.89 157.07,2573.46 7007.47,2573.46 42.91,2636.22 6893.31,2636.22 193.31,2639.37 7043.7,2639.37 5784,2648 5350,2654 5423,2654 4015,2674 4084,2674 79.15,2702.13 6929.54,2702.13 154.34,2703.71 7004.74,2703.71 3221,2813
  other v3: 5347,248 5347,359 3849.66,467 3849.66,588.19 5270,698.23 3849.66,709.37 5029,795.03 5657,892.22 5422.22,931 5627.7,1085 5948,1096 5057,2487 5253.11,2487 1488.86,2511.88 1938.26,2511.88
DIN: R39.2 U7.14 U9.14 | length 6211.3
  Top Layer w10: v1(716.14,2518.86) 798.86,2518.86 833,2553 1059,2553 v1(1060,2554) v1(1060,2644) ; v1(3772,1051) 3772,1398 3775,1401 v1(3774,1402)
  Bottom Layer w10: R39.2@716.14,2469.94 v1(716.14,2518.86) ; v1(1060,2554) 3755,2554 3774,2535 v1(3774,1402) v1@3773,1401 ; v1(3772,1051) 3788,1035 4094,1035 4126,1067 4975,1067 4988,1054 4988,921 5013.33,895.67 U7.14@5108.27,895.67
  other v3: 2527,2555
DOT1: R2.2 U7.29 | length 3503.8
  Top Layer w10: v1(5188.64,1074.36) v1(5415.36,1074.36)
  Bottom Layer w10: R2.2@3428.6,1985.75 3566.25,1985.75 3598,1954 3598,1461 3575,1438 3509,1438 3501,1446 3501,1463 3482,1482 3407,1482 3397,1472 3397,1445 3386,1434 3300,1434 3281,1415 3281,1295 3314,1262 3380,1262 3405,1237 3405,1210 3467,1148 5059,1148 5132.64,1074.36 v1(5188.64,1074.36) ; U7.29@5415.35,1005.91 v1(5415.36,1074.36)
DOT2: R9.2 U7.30 | length 2255.8
  Top Layer w10: v1@5187.04,1102.96 v1(5188.64,1102.96) v1(5435.04,1102.96)
  Bottom Layer w10: R9.2@3428.6,1321.9 3428.6,1219.4 3481,1167 5069,1167 5133.04,1102.96 v1(5188.64,1102.96) ; U7.30@5435.04,1005.91 v1(5435.04,1102.96)
DS18B20: R66.1 U7.61 U14.2 | length 4778.8
  Top Layer w10: v1(5238.19,507.19) 5238.19,26.81 5258,7 6129,7 6164,42 6164,282 6181,299 6893,299 6918,324 6918,1301 6937,1320 7011,1320 7037,1346 7037,2232 7024.91,2244.09 U14.2@6968.5,2244.09
  Bottom Layer w10: v1(5238.19,507.19) U7.61@5238.19,568.9 ; R66.1@6813.06,2301.14 6813.06,2260.94 6829.91,2244.09 U14.2@6968.5,2244.09
GND: C1.1 C2.1 C4.2 C5.2 C6.2 C7.2 C8.1 C9.2 C10.2 C11.1 C12.2 D1.2 J1.2 J1.3 J6.1 L2.1 Q1.2 Q2.2 Q3.3 Q4.2 Q5.2 Q6.2 Q7.2 Q8.2 Q9.2 Q10.2 Q11.2 Q12.2 Q13.2 Q14.2 Q15.2 Q16.2 Q17.2 Q18.2 Q19.2 Q20.2 Q21.2 Q22.2 Q23.2 Q24.2 Q25.2 Q26.2 Q27.2 Q28.2 Q29.2 Q30.2 Q31.2 Q32.2 Q33.2 Q34.2 Q35.2 Q36.2 Q37.2 Q38.2 Q39.2 Q40.2 Q41.2 Q42.2 Q43.2 R3.1 R10.1 T1.1 U1.1 U1.4 U2.3 U3.3 U4.3 U5.3 U6.4 VR1.1 | length 9092.4
  Top Layer w10: U2.3@891.75,1829.15 989.15,1829.15 1006,1846 v1(1006,2006) ; U3.3@2269.71,1829.15 2373.15,1829.15 2383,1839 v1(2383,2005) ; U4.3@4631.91,1829.15 4727.15,1829.15 4742,1844 v1(4742,2004) ; U5.3@6009.86,1829.15 6099,1829.15 6120,1850.15 v1(6120,2005)
  Top Layer w20: v2@2454,188 v2(2455.37,189.37) v2(2969,189.37)
  Bottom Layer w15: Q12.2@427.56,1681.42 v1(468,1695) ; Q13.2@520.09,1452.5 v1(548,1486) ; Q43.2@5641.35,1446.98 5641.35,1467.35 v1(5657,1483)
  Bottom Layer w20: J1.2@103.45,572.06 103.45,741.25 134.26,772.06 J1.3@223.45,772.06 J1.3@263.06,772.06 ; 504.34,772.06 J1.3@263.06,772.06 ; Q3.3@803,360 803,539 877.18,613.18 C11.1@977.17,613.18 ; C9.2@977.17,827.56 C11.1@977.17,613.18 ; C11.1@980.17,613.18 C11.1@977.17,613.18 ; C9.2@980.17,845.86 980.17,889.56 991.19,900.58 1140.8,900.58 1154.57,886.8 U6.4@1154.57,861.8 ; R3.1@1552.36,580.91 C8.1@1552.36,681.2 1569.39,698.23 C12.2@1690.79,698.23 1690.79,618.11 ; C10.2@1585.83,298.43 1664.57,298.43 1690.79,324.65 1690.79,618.11 ; D1.2@2185.04,209.03 2377.48,209.03 2397.56,229.11 2397.56,814.11 2218.49,814.11 ; C1.1@2881.89,189.37 v2(2969,189.37) C2.1@3060.24,189.37 3110.63,189.37 3125.98,204.72 3125.98,374.02 3106.3,393.7 VR1.1@3061.61,393.7 ; Q33.2@4261.43,1450.92 4279,1468.49 v1(4279,1487) ; J1.3@263.06,772.06 528,1037 2096.86,1037 2218.38,915.48 2218.38,742 2187,710.62 2187,661 2171.67,645.67 2023.62,645.67 1996.06,618.11 1690.79,618.11
  Bottom Layer w30: U1.1@2397.56,814.11 2522.89,814.11 2559,778 2559,733 2617,675 2842,675 2933.46,766.46 L2.1@2933.46,852.17
  other v1: 6507,1400 5132,1404 3365,1472 5249,1610 6624,1615 4190,1682 5565,1684 6641,1857 5264,1859 462,1928 1836,1928 5580,1928 4197,1932 5177,2079 6556,2079 3368,2139 580,2143 1957,2144 4321,2146 5698,2146 6374,2246 4991,2250 774,2270 2155,2274 4523,2278
  other v2: 81.88,52.2 157.07,53.78 42.91,116.54 193.31,119.69 79.15,182.45 154.34,184.02 2335,748 2456,751
  other v3: 2378,2231
HX1838: R75.2 U7.59 U16.1 | length 2478.5
  Top Layer w10: U16.1@3443.31,196.85 3443.31,144.69 3451,137 4288,137 4307,156 v1(4307,489)
  Bottom Layer w10: R75.2@3409.84,47.24 3409.84,163.38 U16.1@3443.31,196.85 ; v1(4307,489) 4582,489 4592.65,478.35 5258.65,478.35 5259,478 5277.56,496.56 U7.59@5277.56,568.9
INT#/SQW: R73.2 U7.54 U15.3 | length 2481.8
  Bottom Layer w10: R73.2@3250.79,483.46 3603.15,483.46 3618.31,468.31 U15.3@3618.31,411.42 3618.31,340.69 3648,311 4003,311 4019,327 4019,391 4028,400 4196,400 4217,421 5341,421 5375.99,455.99 U7.54@5375.98,568.9
KEY1: C28.2 R69.2 S2.2 U7.51 | length 1538.9
  Top Layer w10: v1(5435.04,469.04) 5435.04,686.04 5451,702 5519,702 5529,692 5529,188 5552,165 v1(5762,165)
  Bottom Layer w10: v1(5435.04,469.04) U7.51@5435.04,568.9
  Bottom Layer w20: C28.2@5615.35,293.5 R69.2@5615.35,166.72 5760.28,166.72 v1(5762,165) 5781.97,145.03 S2.2@5781.97,76.65
KEY2: C29.2 R70.2 S3.2 U7.52 | length 771
  Top Layer w10: v1(5409.28,166.72) 5415.36,172.8 v1(5415.36,429.64)
  Bottom Layer w10: v1(5415.36,429.64) U7.52@5415.35,568.9
  Bottom Layer w20: C29.2@5270.21,293.5 R70.2@5270.21,166.72 v1(5409.28,166.72) 5434.41,141.59 S3.2@5434.41,76.65